# Altium PCB design.PcbDoc (part 1 of 4) (continued)
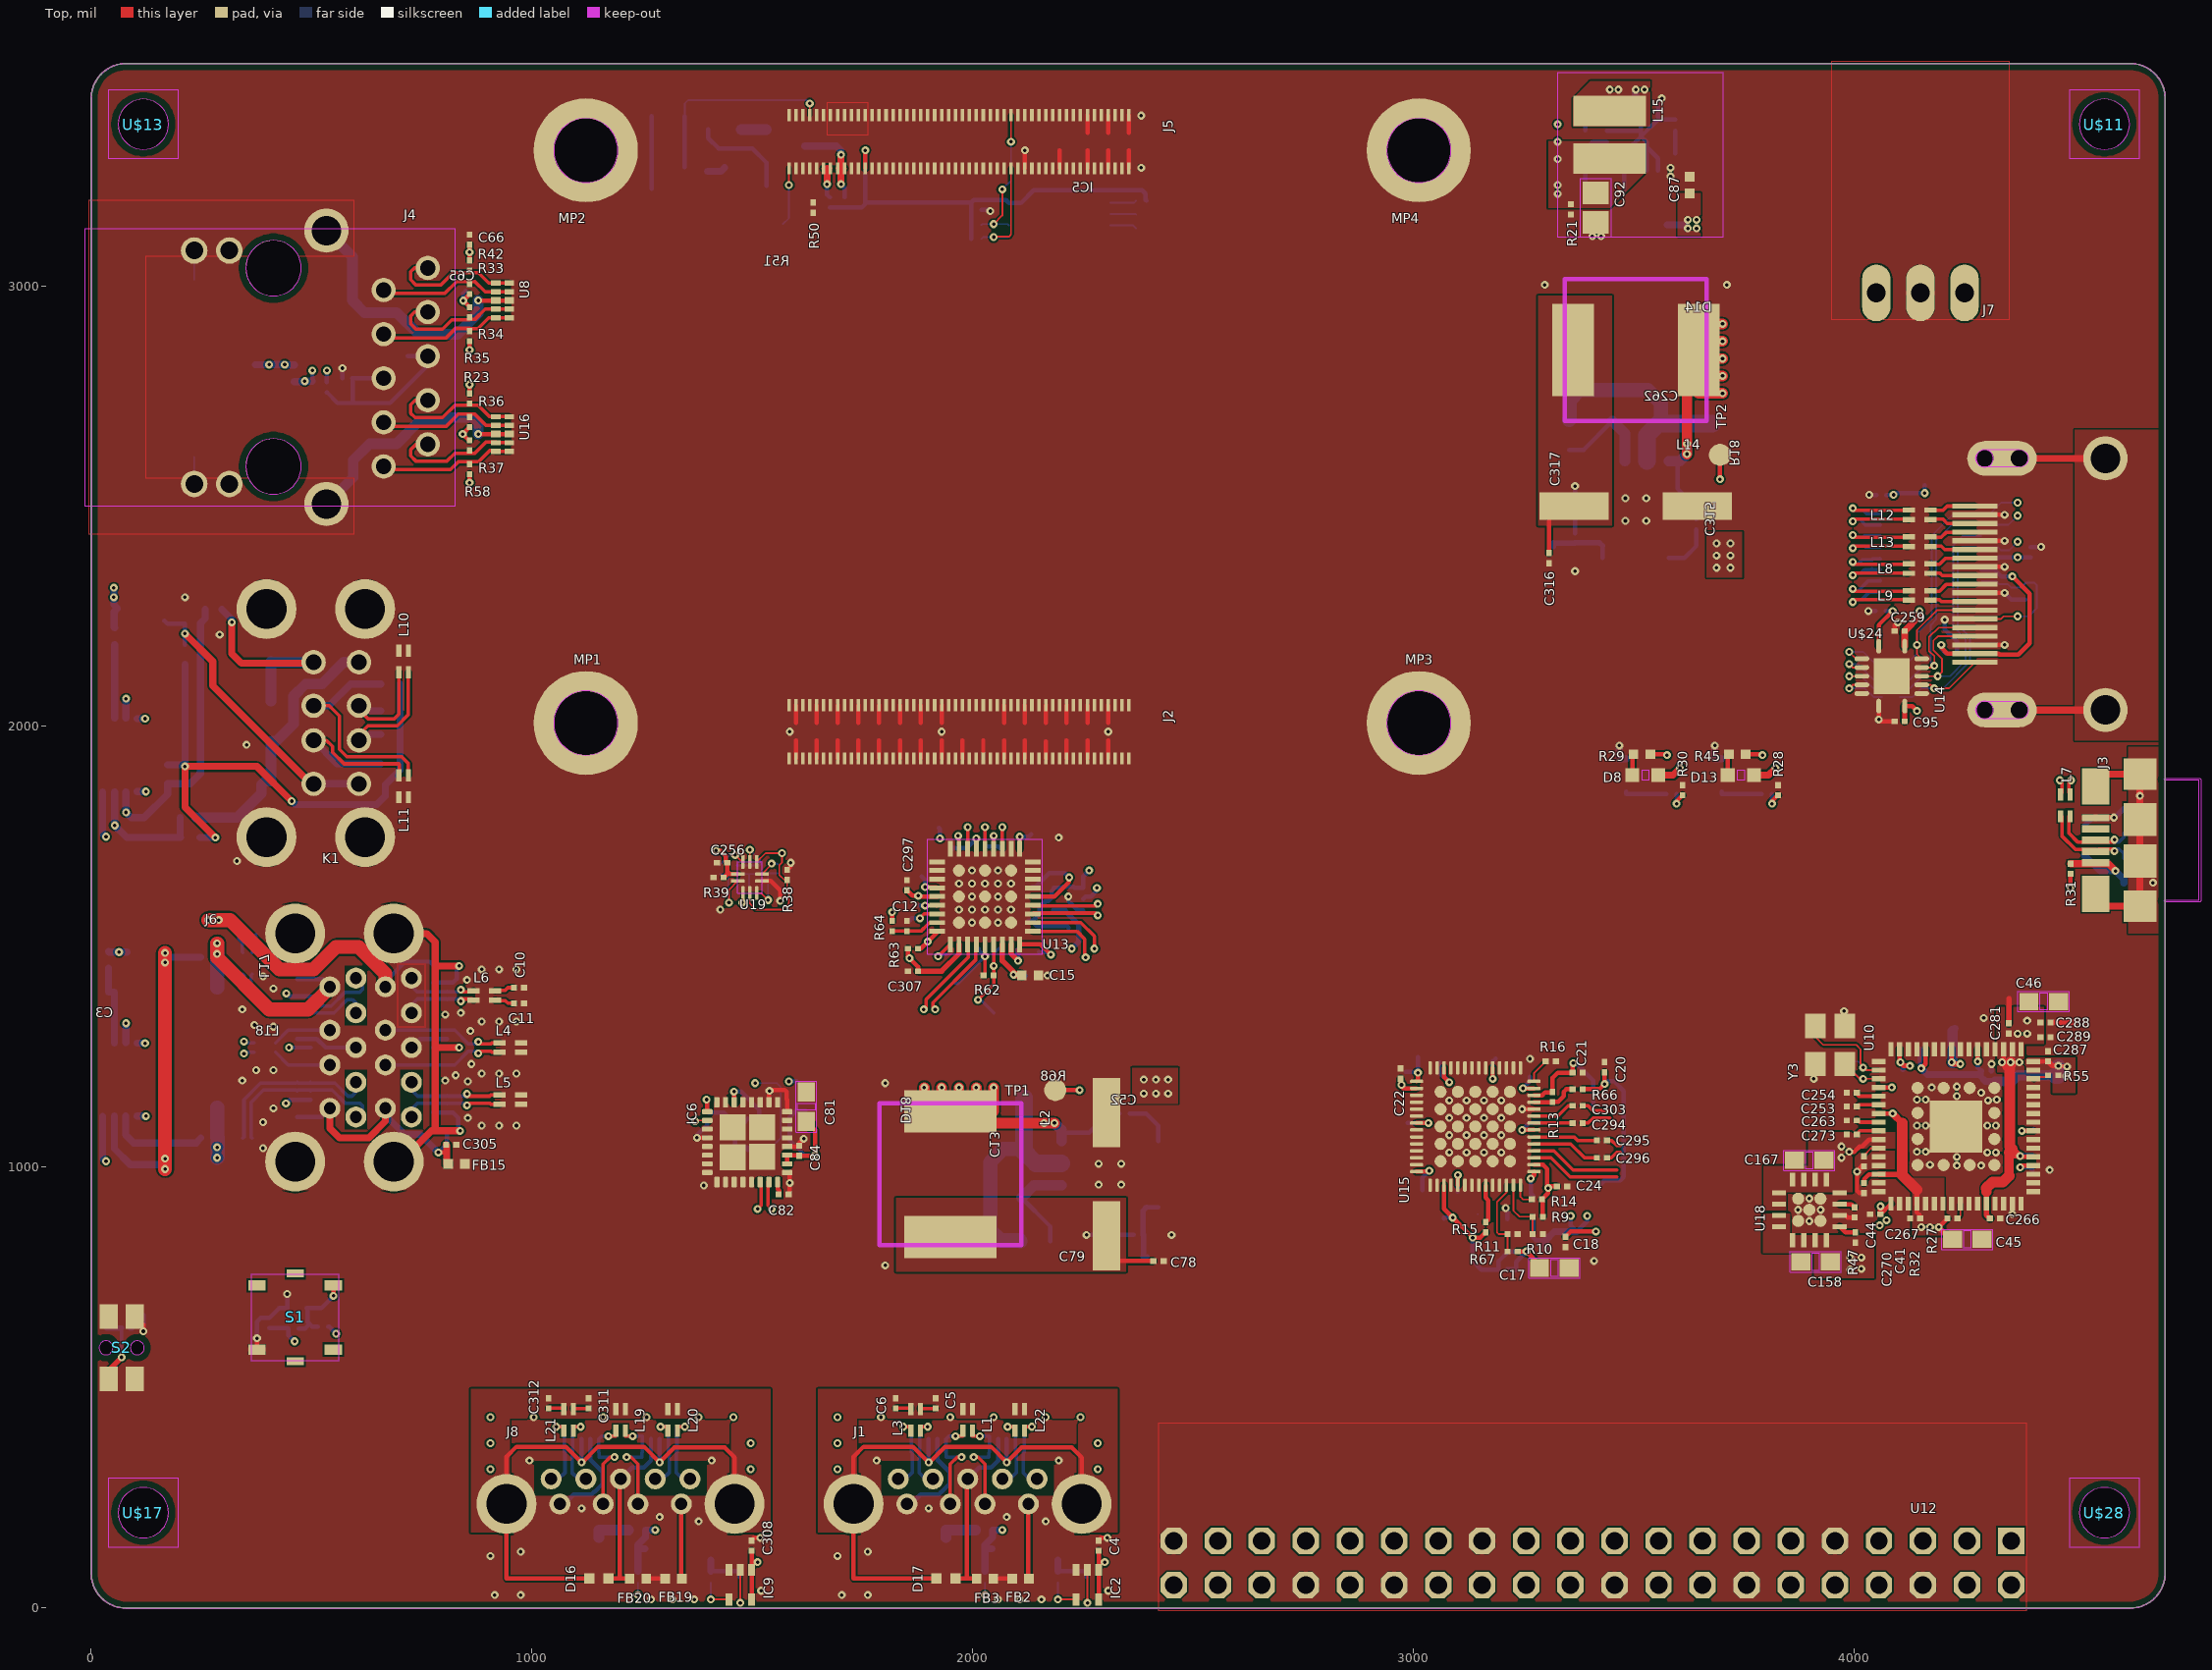
[diagram p0: Top view]
## Components (designator, comment, footprint, x,y, rotation, side; value= is the part's Value field where it differs from the comment) (continued)
C282 "C1608X5R1C475K080AC" 0603 4261.81,1314.96 r0 bottom
C283 "C1608X5R1C475K080AC" 0603 4102.36,1023.62 r270 bottom
C284 "DNP" 0402 2125.98,1578.74 r90 bottom
C285 "UMK063CG100DTF" 0201 3996.06,1228.35 r270 bottom
C286 "GRM033R60J104KE19D" 0201 4299.21,1218.5 r0 bottom
C287 "GRM033R60J104KE19D" 0201 4438.98,1251.97 r90 top
C288 "GRM033R60J104KE19D" 0201 4433.07,1328.74 r0 top
C289 "GRM033R60J104KE19D" 0201 4433.07,1295.28 r0 top
C290 "GRM033R60J104KE19D" 0201 2129.92,1435.04 r0 bottom
C291 "GRM033R60J104KE19D" 0201 2135.83,1647.64 r90 bottom
C292 "GRM033R60J104KE19D" 0201 2143.7,1755.91 r0 bottom
C293 "GRM033R60J104KE19D" 0201 1986.22,1712.6 r270 bottom
C294 "GRM033R60J104KE19D" 0201 3372.05,1100.39 r180 top
C295 "GRM033R60J104KE19D" 0201 3427.17,1061.02 r180 top
C296 "GRM033R60J104KE19D" 0201 3427.17,1021.65 r180 top
C297 "GRM033R60J104KE19D" 0201 1850.39,1639.76 r90 top
C298 "GRM033R60J104KE19D" 0201 2149.61,1500 r90 bottom
C299 "CL05A105KO5NNNC" 0402 1931.1,1718.5 r180 bottom
C300 "CGB3B1X5R1A475K055AC" 0603 1889.76,1769.69 r180 bottom
C301 "GRM0335C1H220JA01D" 0201 2013.78,1507.87 r90 bottom
C302 "GRM0335C1H220JA01D" 0201 2059.06,1507.87 r90 bottom
C303 "GRM033R60J104KE19D" 0201 3372.05,1139.76 r180 top
C304 "GRM033R60J104KE19D" 0201 92.52,1488.19 r0 bottom
C305 "GRM033R61C103KA12D" 0201 816.93,1051.18 r0 top
C306 "GRM31CR60J227ME11L" 1206 230.32,1407.48 r180 bottom
C307 "GRM033R60J104KE19D" 0201 1864.17,1444.88 r180 top
C308 "GRM033R60J104KE19D" 0201 1498.03,141.73 r90 top
C309 "GRM033R60J104KE19D" 0201 1470.47,59.06 r270 bottom
C310 "GRM31CR60J227ME11L" 1206 1151.57,104.33 r270 bottom
C311 "GRM033R60J104KE19D" 0201 1127.95,464.57 r270 top
C312 "GRM033R60J104KE19D" 0201 1037.4,464.57 r270 top
C313 "CL05A105KO5NNNC" 0402 2086.61,1718.5 r0 bottom
C314 "GRM033R60J104KE19D" 0201 2970.47,1216.54 r180 bottom
C315 "GRM033R61C103KA12D" 0201 3641.73,2458.66 r90 bottom
C316 "GRM033R61C103KA12D" 0201 3307.09,2381.89 r270 top
C317 "EEE-1EA331UP" PANASONIC_F 3503.94,2500 r180 top
C318 "GRM033R60J104KE19D" 0201 2257.87,59.06 r270 bottom
C319 "GRM0335C1E470JA01D" 0201 100,670.47 r0 bottom
D1 "B72590D0050A060" D0402 466.93,680.32 r90 bottom
D2 "PS04LTVA1" D0402 679.13,1982.28 r270 bottom
D3 "B72590D0050A060" D0402 224.41,1748.03 r270 bottom
D4 "B72590D0050A060" D0402 212.6,2163.39 r180 bottom
D5 "PS04LTVA1" D0402 679.13,2096.46 r270 bottom
D6 "PS04LTVA1" D0402 679.13,1915.35 r270 bottom
D7 "B72590D0050A060" D0402 173.23,1891.73 r0 bottom
D8 "" D0603 3525.59,1889.76 r0 top
D9 "" D0402 4632.68,1757.28 r270 bottom
D10 "" D0402 4632.68,1701.38 r270 bottom
D11 "" D0402 4632.68,1645.47 r270 bottom
D12 "" D0402 4632.68,1813.98 r270 bottom
D13 "" D0603 3742.13,1889.76 r0 top
D14 "" DO-214AB 3503.94,2854.33 r180 bottom
D15 "PS04LTVA1" D0402 679.13,2035.43 r270 bottom
D16 "PS04LTVA1" D0402 1151.57,66.93 r270 top
D17 "PS04LTVA1" D0402 1938.98,66.93 r270 top
D18 "" DO-214AB 1948.82,984.25 r270 bottom
D19 "B72590D0050A060" D0402 76.38,528.35 r270 bottom
FB1 "BLM15PX121SN1D" 0402 2025.59,177.17 r180 bottom
FB2 "BLM15PX121SN1D" 0402 2108.27,66.93 r0 top
FB3 "BLM15PX121SN1D" 0402 2027.56,66.93 r180 top
FB4 "BLM15PX121SN1D" 0402 267.72,1476.38 r180 bottom
FB9 "BLM15PX121SN1D" 0402 460.63,2801.18 r90 bottom
FB10 "" 0402 1620.08,1147.64 r270 bottom
FB11 "BLM15PX121SN1D" 0402 53.15,2204.72 r270 bottom
FB12 "BLM15PX121SN1D" 0402 212.6,2251.97 r270 bottom
FB13 "BLM15PX121SN1D" 0402 277.56,2265.75 r180 bottom
FB14 "BLM15PX121SN1D" 0402 220.47,1793.31 r180 bottom
FB15 "BLM15PX121SN1D" 0402 828.74,1007.87 r180 top
FB16 "BLM15PX121SN1D" 0402 39.37,1470.47 r270 bottom
FB17 "BLM15PX121SN1D" 0402 267.72,1066.93 r180 bottom
FB18 "BLM15PX121SN1D" 0402 1238.19,177.17 r180 bottom
FB19 "BLM15PX121SN1D" 0402 1320.87,66.93 r0 top
FB20 "BLM15PX121SN1D" 0402 1240.16,66.93 r180 top
IC1 "TPS2065CDGNR" MSOP8-PAD 2110.24,96.46 r270 bottom
IC2 "SN74LV1T126DCKR" SC70-5 2259.84,53.15 r180 top
IC3 "" SC70-5 1515.75,1076.77 r0 bottom
IC4 "" PQFP16 3515.75,3338.58 r180 bottom
IC5 "CAT24C256YI-GT3" TSSOP8 2196.85,3149.61 r270 bottom
IC6 "" QFN32 1488.19,1057.09 r0 top
IC7 "EP5368QI" EP-3X3MMQFN16 3242.13,824.8 r270 bottom
IC8 "DNP" SC70-5 2216.54,1608.27 r270 bottom
IC9 "SN74LV1T126DCKR" SC70-5 1472.44,53.15 r180 top
IC10 "TPS2065CDGNR" MSOP8-PAD 1322.83,96.46 r270 bottom
J1 "" USB3-A-H-VERT 1988.19,236.22 r90 top
J2 "DF40C-100DS-0.4V(51)" HRS_DF40C-100DS-0.4V(51) 1968.5,1988.19 r180 top
J3 "" USB_MICRO_B 4704.72,1742.13 r90 top
J4 "" 7499111447 413.39,2814.96 r90 top
J5 "DF40C-100DS-0.4V(51)" HRS_DF40C-100DS-0.4V(51) 1968.5,3326.77 r180 top
J6 "" USB3-A-H-DUAL 462.6,1271.65 r0 top
J7 "" 1X03_90_TH_SHROUD 4149.61,3236.22 r0 top
J8 "" USB3-A-H-VERT 1200.79,236.22 r90 top
K1 "61400826021" 61400826021 397.64,2007.87 r270 top
L1 "DLP11SN900HL2L" 0504-DLP11S 1988.19,427.17 r90 top
L2 "IHLP3232DZER100M11" 3232DZ 1948.82,984.25 r270 top
L3 "DLP11SN900HL2L" 0504-DLP11S 1870.08,427.17 r90 top
L4 "DLP11SN900HL2L" 0504-DLP11S 950.79,1271.65 r0 top
L5 "DLP11SN900HL2L" 0504-DLP11S 950.79,1153.54 r0 top
L6 "DLP11SN900HL2L" 0504-DLP11S 891.73,1389.76 r0 top
L7 "" 0504-DLP11S 4478.35,1820.87 r90 top
L8 "DLP11SN900HL2L" 0504-DLP11S 4147.64,2358.27 r180 top
L9 "DLP11SN900HL2L" 0504-DLP11S 4147.64,2297.24 r180 top
L10 "DLP11SN900HL2L" 0504-DLP11S 708.66,2147.64 r90 top
L11 "DLP11SN900HL2L" 0504-DLP11S 708.66,1864.17 r270 top
L12 "DLP11SN900HL2L" 0504-DLP11S 4147.64,2480.32 r180 top
L13 "DLP11SN900HL2L" 0504-DLP11S 4147.64,2419.29 r180 top
L14 "IHLP3232DZER100M11" 3232DZ 3503.94,2854.33 r180 top
L15 "LQH44PN6R8MP0L" 1515 3444.88,3342.52 r270 top
L16 "DLP11SN900HL2L" 0504-DLP11S 354.33,1041.34 r270 bottom
L17 "DLP11SN900HL2L" 0504-DLP11S 354.33,1462.6 r90 bottom
L18 "DLP11SN900HL2L" 0504-DLP11S 393.7,1271.65 r180 bottom
L19 "DLP11SN900HL2L" 0504-DLP11S 1200.79,427.17 r90 top
L20 "DLP11SN900HL2L" 0504-DLP11S 1318.9,427.17 r90 top
L21 "DLP11SN900HL2L" 0504-DLP11S 1082.68,427.17 r90 top
L22 "DLP11SN900HL2L" 0504-DLP11S 2106.3,427.17 r90 top
MP1 "9774015151R" WA-SMSI_9774___151 1122.05,2007.87 r0 top
MP2 "9774015151R" WA-SMSI_9774___151 1122.05,3307.09 r0 top
MP3 "9774015151R" WA-SMSI_9774___151 3011.81,2007.87 r0 top
MP4 "9774015151R" WA-SMSI_9774___151 3011.81,3307.09 r0 top
Q1 "BSS138" SOT23 1531.5,3183.07 r180 bottom
Q2 "FDN360P" SOT23 1574.8,3316.93 r90 bottom
Q3 "FDN360P" SOT23 1437.01,3311.02 r0 bottom
Q4 "BSS138" SOT23 3742.13,1889.76 r90 bottom
Q5 "BSS138" SOT23 3525.59,1889.76 r90 bottom
R1 "RC0201FR-0710KL" 0201 525.59,638.58 r0 bottom
R2 "ERJ-1GNJ151C" 0201 459.06,634.25 r180 bottom
R3 "RC0201JR-070RL" 0201 3035.43,874.02 r270 bottom
R4 "ERJ-1GEF1202C" 0201 2104.33,1505.91 r270 bottom
R5 "RC0201FR-07100KL" 0201 1854.33,1594.49 r0 bottom
R6 "RC0201FR-07100KL" 0201 1846.46,1561.02 r0 bottom
R7 "RC0201FR-07100KL" 0201 1950.79,1482.28 r180 bottom
R8 "RC0201FR-07100KL" 0201 1883.86,1671.26 r270 bottom
R9 "DNP" 0201 3281.5,887.8 r0 top
R10 "ERJ-1GEJ204C" 0201 3281.5,848.43 r180 top
R11 "ERJ-1GEJ204C" 0201 3224.41,848.43 r180 top
R12 "RC0201FR-07100KL" 0201 2375.98,846.46 r0 bottom
R13 "1M0" 0201 3314.96,1159.45 r90 top
R14 "RC0201FR-0710KL" 0201 3279.53,927.17 r0 top
R15 "RC0201FR-0710KL" 0201 3163.39,864.17 r270 top
R16 "ERJ-1GEF1202C" 0201 3311.02,1240.16 r180 top
R17 "ERJ-2RKF3162X" 0402 2375.98,797.24 r180 bottom
R18 "CR0805-J/-000ELF" 0805 3677.17,2653.54 r90 bottom
R19 "RC1005J000CS" 0402 3377.95,3316.93 r180 bottom
R20 "1M0" 0201 3377.95,3352.36 r180 bottom
R21 "RC0201JR-070RL" 0201 3356.3,3173.23 r270 top
R22 "DNP" 0402 3413.39,3216.54 r180 bottom
R23 "ERJ-1GEF49R9C" 0201 858.27,2744.09 r90 top
R24 "ERJ-1GEJ331C" 0201 233.46,3001.97 r90 bottom
R25 "ERJ-1GEJ331C" 0201 233.46,2623.62 r270 bottom
R26 "P1.0KAGTR-ND" 0201 3801.18,1846.46 r180 bottom
R27 "RC0201FR-0710KL" 0201 4222.44,883.86 r180 top
R28 "RC0201FR-07100KL" 0201 3826.38,1855.51 r270 top
R29 "ERJ-2RKF3000X" 0402 3517.72,1937.01 r0 top
R30 "RC0201FR-07100KL" 0201 3609.84,1855.51 r270 top
R31 "RC0201JR-070RL" 0201 4490.16,1677.17 r90 top
R32 "RC0201FR-0712K1L" 0201 4021.65,1013.78 r90 top
R33 "ERJ-1GEF49R9C" 0201 858.27,2992.52 r270 top
R34 "ERJ-1GEF49R9C" 0201 858.27,2939.76 r90 top
R35 "ERJ-1GEF49R9C" 0201 858.27,2885.83 r270 top
R36 "ERJ-1GEF49R9C" 0201 858.27,2690.94 r270 top
R37 "ERJ-1GEF49R9C" 0201 858.27,2637.8 r90 top
R38 "RC0201FR-0710KL" 0201 1578.74,1663.39 r270 top
R39 "RC0201JR-070RL" 0201 1423.23,1657.48 r180 top
R40 "P1.0KAGTR-ND" 0201 3584.65,1846.46 r180 bottom
R41 "ERJ-1GNF10R0C" 0201 534.65,2769.69 r90 bottom
R42 "ERJ-1GEF49R9C" 0201 858.27,3046.06 r90 top
R43 "CRCW040275R0FKEDC" 0402 4387.8,2307.09 r90 bottom
R44 "RC0201JR-070RL" 0201 1708.66,3188.98 r270 bottom
R45 "ERJ-2RKF3000X" 0402 3734.25,1937.01 r0 top
R47 "RC0201FR-07100KL" 0201 4001.97,840.55 r270 top
R48 "DNP" 0201 1675.2,3188.98 r270 bottom
R49 "RC0201JR-070RL" 0201 1397.64,3248.03 r90 bottom
R50 "RC0201JR-070RL" 0201 1637.8,3177.17 r270 top
R51 "RC0201FR-0710KL" 0201 1557.09,3090.55 r0 bottom
R52 "RC0201FR-07100KL" 0201 2381.89,3129.92 r180 bottom
R53 "RC0201FR-07100KL" 0201 2381.89,3161.42 r180 bottom
R54 "RC0201FR-07100KL" 0201 2381.89,3192.91 r180 bottom
R55 "RC0201FR-0710KL" 0201 4450.79,1208.66 r0 top
R56 "ERJ-1GNJ152C" 0201 2007.87,3106.3 r180 bottom
R57 "ERJ-1GNJ152C" 0201 2007.87,3137.8 r180 bottom
R58 "ERJ-1GEF49R9C" 0201 858.27,2583.86 r270 top
R59 "RC0201FR-07100KL" 0201 3366.14,2427.17 r270 bottom
R60 "RC0201JR-070RL" 0201 2228.35,1543.31 r180 bottom
R61 "ERJ-2RKF3162X" 0402 3316.93,2427.17 r90 bottom
R62 "1M0" 0201 2035.43,1435.04 r0 top
R63 "RC0201FR-07100KL" 0201 1864.17,1496.06 r0 top
R64 "RC0201FR-07100KL" 0201 1816.93,1547.24 r90 top
R65 "RC0201JR-070RL" 0201 3181.1,946.85 r270 bottom
R66 "ERJ-1GNF10R0C" 0201 3372.05,1177.17 r180 top
R67 "DNP" 0201 3224.41,809.06 r0 top
R68 "CR0805-J/-000ELF" 0805 2149.61,1157.48 r180 bottom
R69 "RC0201JR-070RL" 0201 3145.67,881.89 r270 bottom
R70 "RC0201FR-0710KL" 0201 34.65,657.48 r90 bottom
R71 "ERJ-1GNJ151C" 0201 80.32,635.43 r0 bottom
RP1 "DNP" RP741X083 1537.4,1657.48 r270 bottom
RP2 "DNP" RP741X083 1444.88,1655.51 r90 bottom
RP3 "DNP" 741X08 4082.68,2096.46 r90 bottom
S1 "" EVQ 462.6,659.45 r90 top
S2 "" EVQP-4 68.9,590.55 r270 top
TP1 "" TP0500 2187.01,1175.2 r90 top
TP2 "" TP0500 3694.88,2616.14 r0 top
U1 "" 8SO_POWERPAD 2311.02,984.25 r180 bottom
U2 "" UFDFN-10 791.34,1271.65 r90 bottom
U3 "" UFDFN-10 1899.61,368.11 r180 bottom
U4 "" UFDFN-10 2076.77,368.11 r180 bottom
U5 "" UFDFN-10 482.28,1153.54 r90 bottom
U6 "" UFDFN-10 482.28,1387.8 r270 bottom
U7 "" UFDFN-10 482.28,1271.65 r270 bottom
U8 "" UFDFN-10 933.07,2966.54 r270 top
U9 "TPD13S523PWR" TSSOP16 4173.23,2393.7 r180 bottom
U10 "ASM1142" QFN64-9X9MM-FT2232HQ 4230.31,1092.52 r90 top
U11 "TPS2052BDGNR" MSOP8-PAD 64.96,1935.04 r0 bottom
U12 "67996-140HLF" 2X20 3405.51,102.36 r0 top
U13 "USB2513B-AEZG" QFN36-6X6MM 2027.56,1614.17 r180 top
U14 "" 47151-001 4334.65,2322.83 r90 top
U15 "USB5744/2G" VQFN56 3139.76,1092.52 r270 top
U16 "" UFDFN-10 933.07,2663.39 r270 top
U17 "" 8SO_POWERPAD 3503.94,2492.13 r90 bottom
U18 "ADP1740ACPZ-1.2-R7" LFCSPWQ16 3897.64,903.54 r90 top
U19 "TS3A5223RSWR" UQFN-10 1494.09,1657.48 r270 top
U20 "" UFDFN-10 791.34,1419.29 r90 bottom
U21 "" UFDFN-10 791.34,1124.02 r90 bottom
U22 "" UFDFN-10 1112.2,368.11 r180 bottom
U23 "" UFDFN-10 1289.37,368.11 r180 bottom
U24 "TPS2066CDGNR" MSOP8-PAD 64.96,1198.82 r0 bottom
U$11 "" GEPPETTO_HOLE_2.9 4566.93,3366.14 r0 top
U$13 "" GEPPETTO_HOLE_2.9 118.11,3366.14 r0 top
U$17 "" GEPPETTO_HOLE_2.9 118.11,216.54 r0 top
U$24 "TXS0104ERGYR" S-PVQFN-N14 4084.65,2114.17 r270 top
U$28 "" GEPPETTO_HOLE_2.9 4566.93,216.54 r0 top
Y1 "ABM8G-24.000MHZ-18-D2Y-T" CRYSTAL-3225 2003.94,1383.86 r0 bottom
Y2 "ABM7-25.000MHZ-D2Y-T" CS10 3407.48,1045.28 r90 bottom
Y3 "ABM8G-20.000MHZ-18-D2Y-T" CRYSTAL-3225 3944.88,1277.56 r90 top

## Footprints (in the part's own frame and the unit in brackets; to place one, negate y for a bottom-side part, rotate by r counter-clockwise, add the part's x,y. Pads: shape width x height; smd on the part's side, far side on the other; paste and mask are expansions set on the pad)
1X03_90_TH_SHROUD [mil] "1X03_90_TH_SHROUD"
  oval 64.36x128.73 hole 42.91: 1(-100,-252.56) 2(0,-252.56) 3(100,-252.56)
2X20 [mil] "2X20"
  rect 60x60 / inner round 55.43 / far side rect 60x60 hole 40: 1(950,50)
  oct 60x60 / inner round 55.43 / far side oct 60x60 hole 40: 2(950,-50) 3(850,50) 4(850,-50) 5(750,50) 6(750,-50) 7(650,50) 8(650,-50) 9(550,50) 10(550,-50) 11(450,50) 12(450,-50) 13(350,50) 14(350,-50) 15(250,50) 16(250,-50) 17(150,50) 18(150,-50) 19(50,50) 20(50,-50) 21(-50,50) 22(-50,-50) 23(-150,50) 24(-150,-50) 25(-250,50) 26(-250,-50) 27(-350,50) 28(-350,-50) 29(-450,50) 30(-450,-50) 31(-550,50) 32(-550,-50) 33(-650,50) 34(-650,-50) 35(-750,50) 36(-750,-50) 37(-850,50) 38(-850,-50) 39(-950,50) 40(-950,-50)
8SO_POWERPAD [mil] "8SO_POWERPAD"
  rect 80.71x25.98 smd: 1(-109.84,75) 2(-109.84,25) 3(-109.84,-25) 4(-109.84,-75) 5(109.84,-75) 6(109.84,-25) 7(109.84,25) 8(109.84,75)
  rrect100% 27.56x27.56 smd: 9(0,0) PWRPAD1(-37.4,47.24) PWRPAD2(0,47.24) PWRPAD3(37.4,47.24) PWRPAD4(-37.4,0) PWRPAD5(37.4,0) PWRPAD6(-37.4,-47.24) PWRPAD7(0,-47.24) PWRPAD8(37.4,-47.24)
0201 [mil] "0201"
  rect 14x13 smd: 1(-11.5,0) 2(11.5,0)
0402 [mil] "0402"
  rect 22x22 smd: 1(-19,0) 2(19,0)
0504-DLP11S [mil] "0504-DLP11S"
  rect 27.56x11.81 smd: 1(-24.61,10.83) 2(24.61,10.83) 3(24.61,-10.83) 4(-24.61,-10.83)
0603 [mm] "0603"
  rect 1.1x1 smd: 1(-0.85,0) 2(0.85,0)
  Top keep-out region: -0.2,-0.5 -0.2,0.5 0.2,0.5 0.2,-0.5
  Top keep-out lines w0.051: -1.473,0.583 -1.473,-0.583 1.473,-0.583 1.473,0.583 -1.473,0.583
741X08 [mil] "741X08"
  rect 11.81x19.69 smd: 1(-29.53,-19.69) 2(-9.84,-19.69) 3(9.84,-19.69) 4(29.53,-19.69) 5(29.53,19.69) 6(9.84,19.69) 7(-9.84,19.69) 8(-29.53,19.69)
0805 [mil] "0805"
  rect 51.18x59.06 smd: 1(-33.46,0) 2(33.46,0)
  Top keep-out lines w2: 65.87,34.76 65.87,-34.76 -65.87,-34.76 -65.87,34.76 65.87,34.76
1206 [mil] "1206"
  rect 62.99x70.87 smd: 1(-55.12,0) 2(55.12,0)
  Top keep-out lines w2: 93.43,42.64 93.43,-42.64 -93.43,-42.64 -93.43,42.64 93.43,42.64
1515 [mil] "1515"
  rect 68.9x165.35 smd: 1(-54.13,0) 2(54.13,0)
3232DZ [mil] "3232DZ"
  rect 95x210 smd: 1(-142.5,0) 2(142.5,0)
  Top keep-out lines w10: 161.02,-161.02 -161.02,-161.02 -161.02,-59.06 -161.02,-19.69 -161.02,19.68 -161.02,59.05 -161.02,98.42 -161.02,161.02 161.02,161.02 161.02,-161.02
47151-001 [mm] "47151-001"
  rect 0.3x2.6 smd: 1(4.5,1.56) 2(4,1.56) 3(3.5,1.56) 4(3,1.56) 5(2.5,1.56) 6(2,1.56) 7(1.5,1.56) 8(1,1.56) 9(0.5,1.56) 10(0,1.56) 11(-0.5,1.56) 12(-1,1.56) 13(-1.5,1.56) 14(-2,1.56) 15(-2.5,1.56) 16(-3,1.56) 17(-3.5,1.56) 18(-4,1.56) 19(-4.5,1.56)
  round 2.55 hole 1.7: G1(-7.25,-5.96) G2(7.25,-5.96)
  oval 2x4 hole 1 copper offset 0,1: G3(7.25,-1) G4(-7.25,-1)
7499111447 [mm] "7499111447"
  round 1.398 hole 0.89: 1(5.72,-8.89) 2(4.45,-6.35) 3(3.18,-8.89) 4(1.91,-6.35) 5(0.64,-8.89) 6(-0.63,-6.35) 7(-1.9,-8.89) 8(-3.17,-6.35) 9(-4.44,-8.89) 10(-5.71,-6.35)
  round 1.53 hole 1.02: 11(6.725,2.54) 12(6.725,4.57) 13(-6.725,2.54) 14(-6.725,4.57)
  round 2.55 hole 1.7: 15(-7.875,-3.05) 16(7.875,-3.05)
  Top keep-out region: -8,-10.45 -8,10.85 8,10.85 8,-10.45
61400826021 [mm] "61400826021"
  round 3.45 hole 2.3: 5(-6.57,5.68) 6(-6.57,0) 7(6.57,0) 8(6.57,5.68)
  round 1.408 hole 0.9: A1(-3.5,5.33) A2(-1,5.33) A3(1,5.33) A4(3.5,5.33) B1(-3.5,2.71) B2(-1,2.71) B3(1,2.71) B4(3.5,2.71)
CRYSTAL-3225 [mil] "CRYSTAL-3225"
  rect 55.12x47.24 smd: 1(-43.31,-33.46) 2(43.31,-33.46) 3(43.31,33.46) 4(-43.31,33.46)
CS10 [mil] "CS10"
  rect 74.8x94.49 smd: 1(-88.58,0) 2(88.58,0)
  Top keep-out region: -50.52,-47.24 -50.52,47.24 -19.02,47.24 -19.02,-47.24
  Top keep-out region: 20.32,-46.58 20.32,45.94 50.83,45.94 50.83,-46.58
D0402 [mil] "D0402"
  rect 23.62x23.62 smd: P1(0,-21.65) P2(0,21.65)
D0603 [mil] "D0603"
  rect 31.5x31.5 smd: A(-29.53,0) C(29.53,0)
  Top keep-out region: -7,12 8,12 8,-12 -7,-12
DO-214AB [mil] "DO-214AB"
  rect 98.43x129.92 smd: A(133.86,0) C(-133.86,0)
EP-3X3MMQFN16 [mm] "EP-3X3MMQFN16"
  rrect100% 0.65x0.3 smd: 1(-1.45,1.25) 2(-1.45,0.75) 3(-1.45,0.25) 4(-1.45,-0.25) 5(-1.45,-0.75) 6(-1.45,-1.25) 9(1.45,-1.25) 10(1.45,-0.75) 11(1.45,-0.25) 12(1.45,0.25) 13(1.45,0.75) 14(1.45,1.25)
  rrect100% 0.3x0.65 smd: 7(-0.25,-1.45) 8(0.25,-1.45) 15(0.25,1.45) 16(-0.25,1.45)
  Top keep-out region: -1.8,1.5 -1.8,1.9 -1.4,1.9 -1.4,1.5
  Top keep-out lines w0: 1.8,1.8 1.8,-1.8 -1.8,-1.8 -1.8,1.8 1.8,1.8
EVQ [mm] "EVQ"
  rect 0.6x1 smd: A@1(-1.85,2.2) A@2(-1.85,-2.2) B@1(1.85,2.2) B@2(1.85,-2.2)
  rect 0.45x1 smd: G@1(-2.525,0) G@2(2.525,0)
  Top keep-out region: -2.5,-2.5 -2.5,2.5 2.5,2.5 2.5,-2.5
EVQP-4 [mil] "EVQP-4"
  rect 55.12x41.34 smd: A@1(-70.87,29.53) A@2(70.87,29.53) B@1(-70.87,-29.53) B@2(70.87,-29.53)
GEPPETTO_HOLE_2.9 [mil] "GEPPETTO_HOLE_2.9"
  Top keep-out region: -78.74,-78.74 -78.74,78.74 78.74,78.74 78.74,-78.74
HRS_DF40C-100DS-0.4V(51) [mm] "HRS_DF40C-100DS-0.4V(51)"
  rect 0.2x0.7 smd: 1(-9.8,-1.54) 2(-9.8,1.54) 3(-9.4,-1.54) 4(-9.4,1.54) 5(-9,-1.54) 6(-9,1.54) 7(-8.6,-1.54) 8(-8.6,1.54) 9(-8.2,-1.54) 10(-8.2,1.54) 11(-7.8,-1.54) 12(-7.8,1.54) 13(-7.4,-1.54) 14(-7.4,1.54) 15(-7,-1.54) 16(-7,1.54) 17(-6.6,-1.54) 18(-6.6,1.54) 19(-6.2,-1.54) 20(-6.2,1.54) 21(-5.8,-1.54) 22(-5.8,1.54) 23(-5.4,-1.54) 24(-5.4,1.54) 25(-5,-1.54) 26(-5,1.54) 27(-4.6,-1.54) 28(-4.6,1.54) 29(-4.2,-1.54) 30(-4.2,1.54) 31(-3.8,-1.54) 32(-3.8,1.54) 33(-3.4,-1.54) 34(-3.4,1.54) 35(-3,-1.54) 36(-3,1.54) 37(-2.6,-1.54) 38(-2.6,1.54) 39(-2.2,-1.54) 40(-2.2,1.54) 41(-1.8,-1.54) 42(-1.8,1.54) 43(-1.4,-1.54) 44(-1.4,1.54) 45(-1,-1.54) 46(-1,1.54) 47(-0.6,-1.54) 48(-0.6,1.54) 49(-0.2,-1.54) 50(-0.2,1.54) 51(0.2,-1.54) 52(0.2,1.54) 53(0.6,-1.54) 54(0.6,1.54) 55(1,-1.54) 56(1,1.54) 57(1.4,-1.54) 58(1.4,1.54) 59(1.8,-1.54) 60(1.8,1.54) 61(2.2,-1.54) 62(2.2,1.54) 63(2.6,-1.54) 64(2.6,1.54) 65(3,-1.54) 66(3,1.54) 67(3.4,-1.54) 68(3.4,1.54) 69(3.8,-1.54) 70(3.8,1.54) 71(4.2,-1.54) 72(4.2,1.54) 73(4.6,-1.54) 74(4.6,1.54) 75(5,-1.54) 76(5,1.54) 77(5.4,-1.54) 78(5.4,1.54) 79(5.8,-1.54) 80(5.8,1.54) 81(6.2,-1.54) 82(6.2,1.54) 83(6.6,-1.54) 84(6.6,1.54) 85(7,-1.54) 86(7,1.54) 87(7.4,-1.54) 88(7.4,1.54) 89(7.8,-1.54) 90(7.8,1.54) 91(8.2,-1.54) 92(8.2,1.54) 93(8.6,-1.54) 94(8.6,1.54) 95(9,-1.54) 96(9,1.54) 97(9.4,-1.54) 98(9.4,1.54) 99(9.8,-1.54) 100(9.8,1.54)
LFCSPWQ16 [mil] "LFCSPWQ16"
  rect 31.5x11.81 smd: 1(-68.9,38.39) 2(-68.9,12.8) 3(-68.9,-12.8) 4(-68.9,-38.39) 9(68.9,-38.39) 10(68.9,-12.8) 11(68.9,12.8) 12(68.9,38.39)
  rect 11.81x31.5 smd: 5(-38.39,-68.9) 6(-12.8,-68.9) 7(12.8,-68.9) 8(38.39,-68.9) 13(38.39,68.9) 14(12.8,68.9) 15(-12.8,68.9) 16(-38.39,68.9)
  rrect100% 27.56x27.56 smd: EP(0,0) EP1(-25.2,25.2) EP2(25.2,25.2) EP3(-25.2,-25.2) EP4(25.2,-25.2)
MSOP8-PAD [mm] "MSOP8-PAD"
  rect 0.4x1.6 smd: 1(-0.975,-2.1) 2(-0.325,-2.1) 3(0.325,-2.1) 4(0.975,-2.1) 5(0.975,2.1) 6(0.325,2.1) 7(-0.325,2.1) 8(-0.975,2.1)
  rect 1.89x1.57 smd: TP(0,0)
PANASONIC_F [mm] "PANASONIC_F"
  rect 4x1.6 smd: +(3.55,0) -(-3.55,0)
PQFP16 [mm] "PQFP16"
  rrect100% 0.85x0.35 smd: 1(-1.975,0.975) 2(-1.975,0.325) 3(-1.975,-0.325) 4(-1.975,-0.975) 9(1.975,-0.975) 10(1.975,-0.325) 11(1.975,0.325) 12(1.975,0.975)
  rrect100% 0.35x0.85 smd: 5(-0.975,-1.975) 6(-0.325,-1.975) 7(0.325,-1.975) 8(0.975,-1.975) 13(0.975,1.975) 14(0.325,1.975) 15(-0.325,1.975) 16(-0.975,1.975)
  rect 2.7x2.7 smd: P$1(0,0)
  Top keep-out region: -2,1.5 -2,2 -1.5,2 -1.5,1.5
  Top keep-out lines w0: 2.5,-2.5 -2.5,-2.5 -2.5,2.5 2.5,2.5 2.5,-2.5
QFN32 [mil] "QFN32"
  rrect30% 23.62x11.81 smd paste-11.81 mask-11.81: 1(-90.55,68.9) 2(-90.55,49.21) 3(-90.55,29.53) 4(-90.55,9.84) 5(-90.55,-9.84) 6(-90.55,-29.53) 7(-90.55,-49.21) 8(-90.55,-68.9) 17(90.55,-68.9) 18(90.55,-49.21) 19(90.55,-29.53) 20(90.55,-9.84) 21(90.55,9.84) 22(90.55,29.53) 23(90.55,49.21) 24(90.55,68.9)
  rrect30% 11.81x23.62 smd paste-11.81 mask-11.81: 9(-68.9,-90.55) 10(-49.21,-90.55) 11(-29.53,-90.55) 12(-9.84,-90.55) 13(9.84,-90.55) 14(29.53,-90.55) 15(49.21,-90.55) 16(68.9,-90.55) 25(68.9,90.55) 26(49.21,90.55) 27(29.53,90.55) 28(9.84,90.55) 29(-9.84,90.55) 30(-29.53,90.55) 31(-49.21,90.55) 32(-68.9,90.55)
  rect 59.06x59.06 smd: EXP1(-33.46,33.46) EXP2(33.46,33.46) EXP3(-33.46,-33.86) EXP4(33.46,-33.46)
QFN36-6X6MM [mm] "QFN36-6X6MM"
  rect 0.9x0.28 smd: 1(-2.75,2) 2(-2.75,1.5) 3(-2.75,1) 4(-2.75,0.5) 5(-2.75,0) 6(-2.75,-0.5) 7(-2.75,-1) 8(-2.75,-1.5) 9(-2.75,-2) 19(2.75,-2) 20(2.75,-1.5) 21(2.75,-1) 22(2.75,-0.5) 23(2.75,0) 24(2.75,0.5) 25(2.75,1) 26(2.75,1.5) 27(2.75,2)
  rect 0.28x0.9 smd: 10(-2,-2.75) 11(-1.5,-2.75) 12(-1,-2.75) 13(-0.5,-2.75) 14(0,-2.75) 15(0.5,-2.75) 16(1,-2.75) 17(1.5,-2.75) 18(2,-2.75) 28(2,2.75) 29(1.5,2.75) 30(1,2.75) 31(0.5,2.75) 32(0,2.75) 33(-0.5,2.75) 34(-1,2.75) 35(-1.5,2.75) 36(-2,2.75)
  rrect100% 0.7x0.7 smd: EPAD(0,0) EXP1(1.5,0) EXP2(-1.5,0) EXP3(0,1.5) EXP4(0,-1.5) EXP5(1.5,-1.5) EXP6(-1.5,-1.5) EXP7(-1.5,1.5) EXP8(1.5,1.5)
  Top keep-out lines w0: 3.3,3.3 3.3,-3.3 -3.3,-3.3 -3.3,3.3 3.3,3.3
QFN64-9X9MM-FT2232HQ [mil] "QFN64-9X9MM-FT2232HQ"
  rect 31.5x11.81 smd: 1(-175.2,147.64) 2(-175.2,127.95) 3(-175.2,108.27) 4(-175.2,88.58) 5(-175.2,68.9) 6(-175.2,49.21) 7(-175.2,29.53) 8(-175.2,9.84) 9(-175.2,-9.84) 10(-175.2,-29.53) 11(-175.2,-49.21) 12(-175.2,-68.9) 13(-175.2,-88.58) 14(-175.2,-108.27) 15(-175.2,-127.95) 16(-175.2,-147.64) 33(175.2,-147.64) 34(175.2,-127.95) 35(175.2,-108.27) 36(175.2,-88.58) 37(175.2,-68.9) 38(175.2,-49.21) 39(175.2,-29.53) 40(175.2,-9.84) 41(175.2,9.84) 42(175.2,29.53) 43(175.2,49.21) 44(175.2,68.9) 45(175.2,88.58) 46(175.2,108.27) 47(175.2,127.95) 48(175.2,147.64)
  rect 11.81x31.5 smd: 17(-147.64,-175.2) 18(-127.95,-175.2) 19(-108.27,-175.2) 20(-88.58,-175.2) 21(-68.9,-175.2) 22(-49.21,-175.2) 23(-29.53,-175.2) 24(-9.84,-175.2) 25(9.84,-175.2) 26(29.53,-175.2) 27(49.21,-175.2) 28(68.9,-175.2) 29(88.58,-175.2) 30(108.27,-175.2) 31(127.95,-175.2) 32(147.64,-175.2) 49(147.64,175.2) 50(127.95,175.2) 51(108.27,175.2) 52(88.58,175.2) 53(68.9,175.2) 54(49.21,175.2) 55(29.53,175.2) 56(9.84,175.2) 57(-9.84,175.2) 58(-29.53,175.2) 59(-49.21,175.2) 60(-68.9,175.2) 61(-88.58,175.2) 62(-108.27,175.2) 63(-127.95,175.2) 64(-147.64,175.2)
  rect 118.11x118.11 smd: 65(0,0)
  rrect100% 27.56x27.56 smd: EPAD1(-87.4,87.01) EPAD2(-28.35,87.01) EPAD3(30.71,87.01) EPAD4(87.4,87.01) EPAD5(-87.4,27.95) EPAD6(-87.4,-31.1) EPAD7(-87.4,-87.01) EPAD8(-28.35,-87.01) EPAD9(30.71,-87.01) EPAD10(87.4,-87.01) EPAD11(87.4,-31.1) EPAD12(87.4,27.95)
RP741X083 [mil] "RP741X083"
  rect 15.75x19.69 smd: 1(-29.53,-19.69) 4(29.53,-19.69) 5(29.53,19.69) 8(-29.53,19.69)
  rect 11.81x19.69 smd: 2(-9.84,-19.69) 3(9.84,-19.69) 6(9.84,19.69) 7(-9.84,19.69)
S-PVQFN-N14 [mm] "S-PVQFN-N14"
  rrect100% 0.85x0.28 smd: 1(-1.725,-0.75) 7(1.725,-0.75) 8(1.725,0.75) 14(-1.725,0.75)
  rrect100% 0.28x0.85 smd: 2(-1,-1.725) 3(-0.5,-1.725) 4(0,-1.725) 5(0.5,-1.725) 6(1,-1.725) 9(1,1.725) 10(0.5,1.725) 11(0,1.725) 12(-0.5,1.725) 13(-1,1.725)
  rect 2.05x2.05 smd: PAD(0,0)
SC70-5 [mm] "SC70-5"
  rect 0.4x0.7 smd: 1(-0.65,-0.85) 2(0,-0.85) 3(0.65,-0.85) 4(0.65,0.85) 5(-0.65,0.85)
SOT23 [mm] "SOT23"
  rect 1x1.4 smd: 1(-0.95,-1.1) 2(0.95,-1.1) 3(0,1.1)
TP0500 [mil] "TP0500"
  rrect100% 50x50 smd: 1(0,0)
TSSOP8 [mm] "TSSOP8"
  rect 0.35x1.2 smd: 1(-0.975,-2.925) 2(-0.325,-2.925) 3(0.325,-2.925) 4(0.975,-2.925) 5(0.975,2.925) 6(0.325,2.925) 7(-0.325,2.925) 8(-0.975,2.925)
TSSOP16 [mm] "TSSOP16"
  rect 1.2x0.35 smd: 1(-2.925,2.275) 2(-2.925,1.625) 3(-2.925,0.975) 4(-2.925,0.325) 5(-2.925,-0.325) 6(-2.925,-0.975) 7(-2.925,-1.625) 8(-2.925,-2.275) 9(2.925,-2.275) 10(2.925,-1.625) 11(2.925,-0.975) 12(2.925,-0.325) 13(2.925,0.325) 14(2.925,0.975) 15(2.925,1.625) 16(2.925,2.275)
UFDFN-10 [mm] "UFDFN-10"
  rect 0.3x0.55 smd: 1(-1,-0.385) 2(-0.5,-0.385) 4(0.5,-0.385) 5(1,-0.385) 6(1,0.385) 7(0.5,0.385) 9(-0.5,0.385) 10(-1,0.385)
  rect 0.4x0.55 smd: 3(0,-0.385) 8(0,0.385)
UQFN-10 [mil] "UQFN-10"
  rect 7.87x31.5 smd: 1(-7.87,-27.56)
  rrect50% 7.87x31.5 smd: 2(7.87,-27.56) 6(7.87,27.56) 7(-7.87,27.56)
  rrect50% 31.5x7.87 smd: 3(35.43,-15.75) 4(35.43,0) 5(35.43,15.75) 8(-35.43,15.75) 9(-35.43,0) 10(-35.43,-15.75)
  Top keep-out lines w0: 35.43,-27.56 -35.43,-27.56 -35.43,27.56 35.43,27.56 35.43,-27.56
USB3-A-H-DUAL [mm] "USB3-A-H-DUAL"
  round 1.208 hole 0.7: 1(2,3.5) 2(2,1) 3(2,-1) 4(2,-3.5) 5(3.5,-4) 6(3.5,-2) 7(3.5,0) 8(3.5,2) 9(3.5,4) 10(5.2,3.5) 11(5.2,1) 12(5.2,-1) 13(5.2,-3.5) 14(6.7,-4) 15(6.7,-2) 16(6.7,0) 17(6.7,2) 18(6.7,4)
  round 3.45 hole 2.3: S1(0,6.57) S2(0,-6.57) S3(5.68,6.57) S4(5.68,-6.57)
USB3-A-H-VERT [mm] "USB3-A-H-VERT"
  round 1.208 hole 0.7: D+(0,-1) D-(0,1) DRAIN(1.44,0) GND(0,-3.5) SSRX+(1.44,-2) SSRX-(1.44,-4) SSTX+(1.44,4) SSTX-(1.44,2) VBUS(0,3.5)
  round 3.45 hole 2.3: SH1(0,6.57) SH2(0,-6.57)
USB_MICRO_B [mm] "USB_MICRO_B"
  rect 2.1x1.6 smd: COMMON_SHEILD1(-3.1,4) COMMON_SHEILD2(3.1,4)
  rect 1.8x1.9 smd: COMMON_SHEILD3(-3.8,1.45) COMMON_SHEILD6(3.8,1.45)
  rect 1.9x1.9 smd: COMMON_SHEILD4(-1.2,1.45) COMMON_SHEILD5(1.2,1.45)
  rect 0.4x1.6 smd: P1(-1.3,4) P2(-0.65,4) P3(0,4) P4(0.65,4) P5(1.3,4)
VQFN56 [mm] "VQFN56"
  rrect50% 0.75x0.2 smd: 1(-3.38,2.6) 2(-3.38,2.2) 3(-3.38,1.8) 4(-3.38,1.4) 5(-3.38,1) 6(-3.38,0.6) 7(-3.38,0.2) 8(-3.38,-0.2) 9(-3.38,-0.6) 10(-3.38,-1) 11(-3.38,-1.4) 12(-3.38,-1.8) 13(-3.38,-2.2) 14(-3.38,-2.6) 29(3.38,-2.6) 30(3.38,-2.2) 31(3.38,-1.8) 32(3.38,-1.4) 33(3.38,-1) 34(3.38,-0.6) 35(3.38,-0.2) 36(3.38,0.2) 37(3.38,0.6) 38(3.38,1) 39(3.38,1.4) 40(3.38,1.8) 41(3.38,2.2) 42(3.38,2.6)
  rrect50% 0.2x0.75 smd: 15(-2.6,-3.38) 16(-2.2,-3.38) 17(-1.8,-3.38) 18(-1.4,-3.38) 19(-1,-3.38) 20(-0.6,-3.38) 21(-0.2,-3.38) 22(0.2,-3.38) 23(0.6,-3.38) 24(1,-3.38) 25(1.4,-3.38) 26(1.8,-3.38) 27(2.2,-3.38) 28(2.6,-3.38) 43(2.6,3.38) 44(2.2,3.38) 45(1.8,3.38) 46(1.4,3.38) 47(1,3.38) 48(0.6,3.38) 49(0.2,3.38) 50(-0.2,3.38) 51(-0.6,3.38) 52(-1,3.38) 53(-1.4,3.38) 54(-1.8,3.38) 55(-2.2,3.38) 56(-2.6,3.38)
  rrect100% 0.7x0.7 smd: P$1(-2,2) P$2(-1,2) P$3(0,2) P$4(1,2) P$5(2,2) P$6(-2,1) P$7(-1,1) P$8(0,1) P$9(1,1) P$10(2,1) P$11(-2,0) P$12(-1,0) P$13(0,0) P$14(1,0) P$15(2,0) P$16(-2,-1) P$17(-1,-1) P$18(0,-1) P$19(1,-1) P$20(2,-1) P$21(-2,-2) P$22(-1,-2) P$23(0,-2) P$24(1,-2) P$25(2,-2)
WA-SMSI_9774___151 [mm] "WA-SMSI_9774___151"
  rrect100% 6x6 smd paste-3: 1(0,0)